# Altium PCB 宠物机器人&导购机器人.PcbDoc (part 13 of 14) (continued)
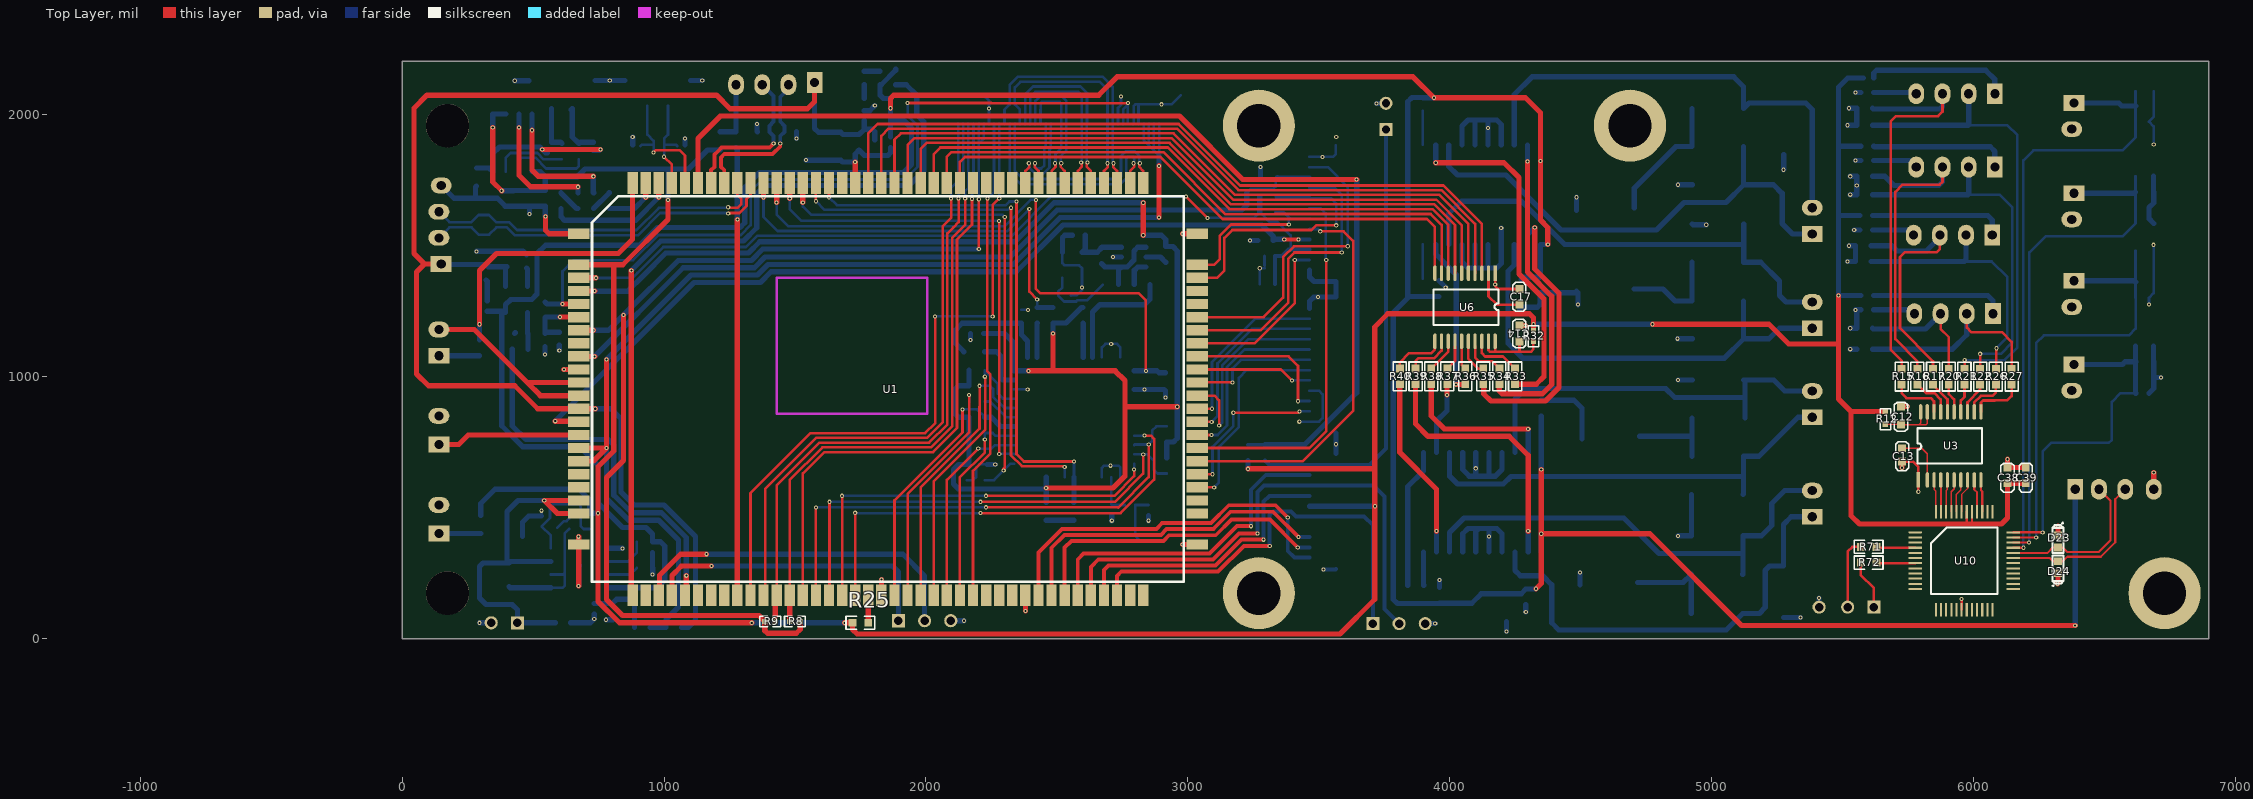
[diagram p0: Top Layer view]
## Nets (pads, with @x,y where several pads share a name; then routed paths per layer and width w, separated by ;. In a path a pad name is that pad's centre, name@x,y a point inside that pad or via, vN(x,y) a via of type N, cw(c..) or ccw(c..) an arc to the next point about the centre after c; other vN are vias at no path point) (continued)
NetD1_2: D1.2 D9.2 EC1.1 | length 507.5
  Bottom Layer w20: EC1.1@4705.47,1644 4705.47,1720.47 4864,1879 D1.2@4925.83,1879 D9.2@4925.83,2024
NetD2_2: D2.2 D10.2 EC2.1 | length 387.9
  Bottom Layer w20: EC2.1@4705,1335 4815,1335 4861,1289 D10.2@4925.83,1289 D2.2@4925.83,1437
NetD3_2: D3.2 D11.2 EC3.1 | length 346.7
  Bottom Layer w20: EC3.1@4726,772 4923.83,772 4925.83,770 ; D3.2@4925.83,696 4925.83,770 ; D11.2@4925.83,842 4925.83,770
NetD4_2: D4.2 D12.2 EC4.1 | length 366.7
  Bottom Layer w20: EC4.1@4718,214 4891.83,214 D4.2@4922.83,245 D12.2@4922.83,96
NetJ4_1: J4.1 R13.1 | length 512.9
  Bottom Layer w20: R13.1@5620,1310 6055,1310 6075,1290 J4.1@6075,1240.37
NetJ4_4: J4.4 R10.1 | length 161.1
  Bottom Layer w20: R10.1@5620,1255.16 5760.21,1255.16 J4.4@5775,1240.37
NetJ5_1: J5.1 R14.1 | length 521.8
  Bottom Layer w20: R14.1@5615,1615 6055,1615 6072.21,1597.79 J5.1@6072.21,1540.35
NetJ5_4: J5.4 R11.1 | length 165.3
  Bottom Layer w20: R11.1@5615,1560 5752.55,1560 J5.4@5772.21,1540.35
NetJ8_1: J8.1 R23.1 | length 530.1
  Bottom Layer w20: R23.1@5620,1880 5622.21,1877.79 6064.41,1877.79 6082.21,1860 J8.1@6082.21,1800.35
NetJ8_4: J8.4 R18.1 | length 172.4
  Bottom Layer w20: R18.1@5620,1825 5757.55,1825 J8.4@5782.21,1800.35
NetJ9_1: J9.1 R24.1 | length 555.6
  Bottom Layer w20: R24.1@5620,2140.35 5620,2160 5630.35,2170.35 6047.21,2170.35 6082.21,2135.35 J9.1@6082.21,2080.35
NetJ9_4: J9.4 R19.1 | length 164.1
  Bottom Layer w20: R19.1@5620,2085 5777.55,2085 J9.4@5782.21,2080.35
NetJ16_1: J16.1 J50.1 R63.2 | length 1713
  Bottom Layer w15: R63.2@3295,680 3311.89,663.11 J16.1@3465,663.11 3694.11,663.11 3757,726 J50.1@3757,1944
NetJ17_1: J17.1 R72.1 | length 190.7
  Top Layer w10: R72.1@5570,290 5570,243 5620,193 J17.1@5620,120
NetJ17_2: J17.2 R71.1 | length 269.5
  Top Layer w10: J17.2@5520,120 5520,332 5538,350 R71.1@5570,350
NetJ18_4: J18.4 R83.2 R84.1 | length 240
  Bottom Layer w20: R84.1@1215,1935 R83.2@1275,1935 J18.4@1275,2115
NetJ21_1: J21.1 R48.1 | length 155
  Bottom Layer w20: J21.1@140,1080 R48.1@295,1080
NetJ22_1: J22.1 R52.1 | length 160
  Bottom Layer w20: J22.1@140,401 R52.1@300,401
NetL3_2: L3.2 R1.2 U2.1 U2.2 | length 498.9
  Bottom Layer w10: U2.1@567.5,194.25 613.5,194.25 621.5,202.26 621.5,252.26 ; U2.2@567.5,244.25 613.5,244.25 621.5,252.26 ; R1.2@637.5,418.25 621.5,402.26 621.5,252.26
  Bottom Layer w20: L3.2@407.5,198.25 411.5,194.25 U2.1@567.5,194.25
NetL14_2: L14.2 U8.7 | length 284.4
  Bottom Layer w10: U8.7@396,1783 396,1836 414,1854 516.46,1854 540.46,1830 L14.2@610,1830
NetL16_2: L16.2 U8.6 | length 322.3
  Bottom Layer w10: U8.6@446,1783 446,1826 456,1836 509,1836 550,1795 665,1795 675,1805 L16.2@675,1830
NetL19_1: L19.1 U9.21 | length 206
  Bottom Layer w20: L19.1@2225,1095 2270,1095 2285,1080 2285,995 2293.27,986.73 U9.21@2336.34,986.73
NetR2_2: R2.2 U2.7 | length 119
  Bottom Layer w10: U2.7@787.5,244.25 870.75,244.25 R2.2@896,269.5
NetR3_1: R3.1 R5.2 U2.6 | length 163.7
  Bottom Layer w10: U2.6@787.5,294.25 861.75,294.25 R5.2@896,328.5 R3.1@896,369.5
NetR15_2: R15.2 U3.18 | length 210.8
  Top Layer w10: R15.2@5726.21,970.35 5726.21,936.79 5745,918 5838,918 5850.02,905.98 U3.18@5850.02,865.35
NetR16_2: R16.2 U3.17 | length 161
  Top Layer w10: R16.2@5786.21,970.35 5819.55,937 5852,937 5875.62,913.38 U3.17@5875.62,865.35
NetR17_2: R17.2 U3.16 | length 127.8
  Top Layer w10: R17.2@5846.21,970.35 5846.21,968.34 5901.21,913.34 U3.16@5901.21,865.35
NetR20_2: R20.2 U3.15 | length 113.5
  Top Layer w10: R20.2@5906.21,970.35 5906.21,933.79 5926.8,913.2 U3.15@5926.8,865.35
NetR21_2: R21.2 U3.14 | length 110.7
  Top Layer w10: U3.14@5952.39,865.35 5952.39,909.39 5966.21,923.21 R21.2@5966.21,970.35
NetR22_2: R22.2 U3.13 | length 125
  Top Layer w10: U3.13@5977.98,865.35 5977.98,901.98 6026.21,950.21 R22.2@6026.21,970.35
NetR25_2: R25.2 U1.39 | length 105
  Top Layer w20: R25.2@1780,60 U1.39@1780,165
NetR26_2: R26.2 U3.12 | length 165.9
  Top Layer w10: U3.12@6003.57,865.35 6003.57,902.11 6028.46,927 6074,927 6086.21,939.21 R26.2@6086.21,970.35
NetR27_2: R27.2 U3.11 | length 207.4
  Top Layer w10: U3.11@6029.16,865.35 6029.16,901.16 6037,909 6081.46,909 6081.66,909.21 6129.21,909.21 6146.21,926.21 R27.2@6146.21,970.35
NetR28_1: R28.1 U4.1 | length 130.5
  Bottom Layer w10: U4.1@3897,1884.92 3897,2014 R28.1@3898,2015
NetR29_2: R29.2 U4.20 | length 130
  Bottom Layer w10: R29.2@3897,1375 U4.20@3897,1505
NetR30_1: R30.1 U5.1 | length 533
  Bottom Layer w20: R30.1@3841,202.29 3840,203.29 3840,580 3900,640 U5.1@3900,710
NetR31_2: R31.2 U5.20 | length 127.6
  Bottom Layer w20: U5.20@3900,330.08 3900,204.25 R31.2@3901.25,203
NetR33_2: R33.2 U6.18 | length 176.6
  Top Layer w10: U6.18@4122.91,1115.08 4122.91,1090.09 4136,1077 4203.92,1077 R33.2@4250,1030.92
NetR34_2: R34.2 U6.17 | length 152.4
  Top Layer w10: U6.17@4097.32,1115.08 4097.32,1072.68 4111,1059 4161.92,1059 R34.2@4190,1030.92
NetR35_2: R35.2 U6.16 | length 119.1
  Top Layer w10: U6.16@4071.73,1115.08 4071.73,1068.27 4109.08,1030.92 R35.2@4128.54,1030.92
NetR36_2: R36.2 U6.15 | length 89.9
  Top Layer w10: U6.15@4046.14,1115.08 4046.14,1044.76 R36.2@4059.98,1030.92
NetR37_2: R37.2 U6.14 | length 96.2
  Top Layer w10: R37.2@3991.42,1030.92 4020.55,1060.05 U6.14@4020.55,1115.08
NetR38_2: R38.2 U6.13 | length 131.1
  Top Layer w10: R38.2@3930,1030.92 3994.96,1095.88 U6.13@3994.96,1135.16
NetR39_2: R39.2 U6.12 | length 180.5
  Top Layer w10: R39.2@3870,1030.92 3870,1060 3880,1070 3940,1070 3969.37,1099.37 U6.12@3969.37,1135.16
NetR40_2: R40.2 U6.11 | length 209.4
  Top Layer w10: R40.2@3810,1030.92 3810,1055 3845,1090 3930,1090 3943.78,1103.78 U6.11@3943.78,1135.16
NetR43_1: R43.1 R46.2 U7.1 U7.4 | length 298.6
  Bottom Layer w20: R46.2@2670.98,1431.57 2683.39,1419.17 U7.1@2746.5,1419.17 ; R43.1@2735.98,1351.57 2735.98,1408.66 U7.1@2746.5,1419.17 ; U7.4@2840.98,1493.98 2808.98,1493.98 2795,1480 2795,1445 2769.17,1419.17 U7.1@2746.5,1419.17
NetR44_2: R44.2 U7.6 | length 104.9
  Bottom Layer w20: R44.2@2795.98,1351.57 2795.98,1405.98 2809.17,1419.17 U7.6@2840.98,1419.17
NetR45_2: R45.2 U7.5 | length 83.3
  Bottom Layer w20: U7.5@2840.98,1456.57 2895.98,1456.57 R45.2@2915.98,1436.57
NetR49_2: R49.2 U8.3 | length 501.3
  Top Layer w20: v1(446,1951) 446,1769 490,1725 v1(671.75,1725)
  Bottom Layer w20: v1(446,1951) U8.3@446,2003 ; R49.2@671,1702 671.75,1702.75 v1(671.75,1725)
NetR50_2: R50.2 U8.4 | length 522.4
  Top Layer w20: v1(496,1941) 496,1789 520,1765 v1(730,1765)
  Bottom Layer w20: v1(496,1941) U8.4@496,2003 ; v1(730,1765) 730,1703 R50.2@731,1702 R50.2@731.75,1702.75
NetR64_1: R64.1 U9.29 | length 130.6
  Bottom Layer w20: R64.1@2600,1204.5 2601.1,1203.4 U9.29@2601.1,1074.33
NetR66_1: R66.1 U9.24 | length 130.6
  Bottom Layer w20: U9.24@2423.94,1074.33 2423.94,1203.44 R66.1@2425,1204.5
NetR67_2: R67.2 R69.2 U11.4 | length 172.6
  Bottom Layer w20: U11.4@1865,2062.5 1837.5,2062.5 1825,2075 R69.2@1825,2115 1829.46,2115 1885,2170.54 R67.2@1885,2175
NetR70_2: R70.2 U11.3 | length 52.5
  Bottom Layer w20: U11.3@1765,2062.5 R70.2@1765,2115
NetR71_2: R71.2 U10.4 | length 156.4
  Top Layer w10: R71.2@5630,350 5626.59,346.59 U10.4@5778.15,346.59
NetR72_2: R72.2 U10.7 | length 149.2
  Top Layer w10: R72.2@5630,290 5632.46,287.54 U10.7@5778.15,287.54
NetR74_1: R74.1 U9.17 | length 136.2
  Bottom Layer w10: R74.1@2225,905 2245,905 2305,845 U9.17@2336.34,845
NetR80_2: R80.2 R81.2 U12.4 | length 140.4
  Bottom Layer w20: U12.4@479,1245 479,1166 R81.2@480,1165 R80.2@480,1105
NetR82_2: R82.2 U12.3 | length 71.7
  Bottom Layer w20: R82.2@475,1415 479,1411 U12.3@479,1345
OUTPUT1: D1.1 D5.2 J7.1 U4.3 | length 1933.8
  Bottom Layer w20: U4.3@3997,1884.92 3997,1803 4030,1770 4215,1770 4425,1560 4790,1560 4895,1665 5055.54,1665 D5.2@5123.54,1733 ; D1.1@5122.69,1879 5122.69,1733.85 D5.2@5123.54,1733 ; J7.1@5385,1545 5310,1545 5270,1585 5270,1700 5237,1733 D5.2@5123.54,1733
OUTPUT2: D9.1 D13.2 J7.2 U4.8 | length 1851.2
  Bottom Layer w20: U4.8@4247,1884.92 4247,2077 4315,2145 5085,2145 5122.69,2107.31 D9.1@5122.69,2024 5143.69,2045 D13.2@5276,2045 5360,2045 5385,2020 J7.2@5385,1645
OUTPUT3: D10.1 D15.2 J10.1 U4.13 | length 1765.9
  Bottom Layer w20: U4.13@4247,1505 4247,1427 4222.54,1402.54 4222.54,1127.46 4280,1070 5048.54,1070 D15.2@5123.54,1145 ; D10.1@5122.69,1289 5122.69,1145.85 D15.2@5123.54,1145 ; J10.1@5385,1185 5260,1185 5220,1145 D15.2@5123.54,1145
OUTPUT4: D2.1 D6.2 J10.2 U4.18 | length 1835.6
  Bottom Layer w20: U4.18@3997,1505 3997,1622 4045,1670 4275,1670 4440,1505 5123.54,1505 ; D6.2@5123.54,1583 5123.54,1505 ; J10.2@5385,1285 5285,1285 5260,1310 5260,1365 5188,1437 D2.1@5122.69,1437 5123.54,1437.85 5123.54,1505
OUTPUT5: D3.1 D7.2 J6.1 U5.3 | length 1710.5
  Bottom Layer w20: U5.3@4000,710 4000,620 4030,590 4205,590 4234,619 5116.69,619 5122.69,625 ; D7.2@5120.54,550 5122.69,552.15 5122.69,625 ; J6.1@5385,845 5330,845 5181,696 D3.1@5122.69,696 5122.69,625
OUTPUT6: D11.1 D14.2 J6.2 U5.8 | length 1538.8
  Bottom Layer w20: U5.8@4250,710 4250,915 4290,955 4825,955 4860,920 5128.54,920 ; D14.2@5123.54,987 D14.2@5128.54,987 ; D11.1@5127.69,842 5128.54,842.85 5128.54,920 ; J6.2@5385,945 5280,945 5238,987 D14.2@5128.54,987 ; 5128.54,920 D14.2@5128.54,987
OUTPUT7: D12.1 D16.2 J11.1 U5.13 | length 1738.8
  Bottom Layer w20: U5.13@4250,330.08 4250,260 4270,240 4355,240 4390,205 4390,60 4417,33 5056.69,33 D12.1@5119.69,96 5183,96 5205,118 5205,260 5221.85,276.85 D16.2@5275,276.85 5275,435 5305,465 J11.1@5385,465
OUTPUT8: D4.1 D8.2 J11.2 U5.18 | length 1806.3
  Bottom Layer w20: U5.18@4000,330.08 4000,405 4055,460 4665,460 4800,325 5120.54,325 ; D4.1@5119.69,245 5120.54,245.85 5120.54,325 ; J11.2@5385,565 5280,565 5230,515 5230,432 5190,392 D8.2@5120.54,392 5120.54,325
P0.0: U3.9 U10.40 | length 125.6
  Top Layer w8: U3.9@6003.57,605.5 6003.57,568.8 6014.37,558 U10.40@6014.37,484.39
P0.1: U3.10 U10.39 | length 123.1
  Top Layer w8: U3.10@6029.16,605.5 6029.16,565.84 6034.06,560.94 U10.39@6034.06,484.39
P0.4: C21.1 L13.2 R41.1 R42.1 SW1.1 U10.36 | length 1374.6
  Top Layer w8: U10.36@6152.17,405.65 v1@6265,405.65
  Top Layer w10: v1(6265,405) v1@6265,405.65
  Bottom Layer w10: v1(6265,405) 6265,715 6297,747 6517,747 6529,759 6529,904 6561.69,936.69 L13.2@6620,936.69
  Bottom Layer w20: SW1.1@6385,1046.69 6569.37,1046.69 6579.37,1056.69 R41.1@6619.5,1056.69 ; C21.1@6619.5,1116.69 R41.1@6619.5,1056.69 ; L13.2@6620,936.69 6619.5,937.19 R41.1@6619.5,1056.69 ; R41.1@6620,1056.69 R41.1@6619.5,1056.69
P0.5: C27.1 L15.2 R47.1 R51.1 SW2.1 U10.35 | length 1767.5
  Top Layer w8: U10.35@6152.17,385.96 v1(6240,385.96)
  Bottom Layer w10: v1(6240,385.96) 6240,1128 6270,1158 6594,1158 6620,1184 L15.2@6620,1301.25 6619.5,1301.75 6619.5,1361.75 C27.1@6619.5,1481.25
  Bottom Layer w20: SW2.1@6385,1366 6615.25,1366 6619.5,1361.75 R47.1@6620,1361.25
P0.6: C35.1 L17.2 R54.1 R56.1 SW3.1 U10.34 | length 2038.5
  Top Layer w6: v1@6212.68,366.28 v1(6213,366.59)
  Top Layer w8: U10.34@6152.17,366.28 v1@6212.68,366.28
  Top Layer w10: v1@6212,367.59 v1(6213,366.59)
  Bottom Layer w10: v1(6213,366.59) 6214,1474 6276,1536 6570.63,1536 R56.1@6620,1585.37 6619.5,1585.87 6619.5,1704.87 C35.1@6619.5,1765.37
  Bottom Layer w20: SW3.1@6385,1700.37 6615,1700.37 R54.1@6619.5,1704.87
P0.7: C37.1 L18.2 R57.1 R62.1 SW4.1 U10.33 | length 2399.8
  Top Layer w8: U10.33@6152.17,346.59 v1(6191.41,346.59)
  Bottom Layer w10: v1(6191.41,346.59) 6191.41,1825.41 6230,1864 6570.13,1864 R62.1@6620,1913.87 6619.5,1914.37 6619.5,2033.87 C37.1@6619.5,2090.37
  Bottom Layer w20: SW4.1@6385,2045.37 6555.63,2045.37 6567.13,2033.87 6619.5,2033.87 R57.1@6620,2033.87
P1.0: U3.8 U10.43 | length 130.5
  Top Layer w6: U10.43@5955.32,484.39 5955.32,550.32 5977.98,572.98 U3.8@5977.98,605.5
P1.1: U3.7 U10.44 | length 128.1
  Top Layer w6: U10.44@5935.63,484.39 5935.63,550.63 5952.39,567.39 U3.7@5952.39,605.5
P1.2: U3.6 U10.45 | length 125.6
  Top Layer w6: U10.45@5915.95,484.39 5915.95,560.95 5926.8,571.8 U3.6@5926.8,605.5
P1.3: U3.5 U10.46 | length 123.2
  Top Layer w6: U10.46@5896.26,484.39 5896.26,565 5901,569.74 5901,605.3 U3.5@5901.21,605.5
P1.4: U3.4 U10.47 | length 120.2
  Top Layer w6: U10.47@5876.58,484.39 U3.4@5876.58,604.58
P1.5: U3.3 U10.48 | length 124
  Top Layer w6: U3.3@5850.02,605.5 5851,604.53 5851,569 5856.89,563.11 U10.48@5856.89,484.39
PB6: U1.48
PE0_CSI-PCLK: J1.7 U1.63 | length 804.4
  Top Layer w10: U1.63@3036.1,577.4 3100.6,577.4 v1(3101,577)
  Bottom Layer w10: v1(3101,577) 3119,595 3119,731.39 3195,807.39 3195,995 3225,1025 J1.7@3465,1025
PE1_CSI-MCLK: J1.11 U1.64 | length 619.2
  Top Layer w10: U1.64@3036.1,627.4 v1(3094.4,627.4) ; v1(3174,862) 3420.96,862 v1(3426.48,867.52)
  Bottom Layer w10: v1(3094.4,627.4) 3094.4,732.25 3174,811.85 v1(3174,862) ; v1(3426.48,867.52) J1.11@3465,867.52
PE2_CSI-HSYNC: J3.8 U1.65 | length 1509.9
  Top Layer w10: U1.65@3036.1,677.4 3439.86,677.4 3632,869.54 3632,1518 3595,1555 v1(3506,1555)
  Bottom Layer w10: J3.8@3465,1563.74 3497.26,1563.74 v1(3506,1555)
PE3_CSI-VSYNC: J3.6 U1.66 | length 1422.1
  Top Layer w10: U1.66@3036.1,727.4 3464.4,727.4 3529,792 v1(3529,1445)
  Bottom Layer w10: J3.6@3465,1642.48 3508.52,1642.48 3527,1624 3527,1447 v1(3529,1445)
PE4_CSI-D0: J1.5 U1.67 | length 694.8
  Top Layer w10: U1.67@3036.1,777.4 v1(3090.6,777.4)
  Bottom Layer w10: v1(3090.6,777.4) 3114.1,777.4 3150,813.3 3150,1035 3150,1036.46 3217.28,1103.74 J1.5@3465,1103.74
PE5_CSI-D1: J1.3 U1.68 | length 694
  Top Layer w10: U1.68@3036.1,827.4 v1(3091.4,827.4)
  Bottom Layer w10: v1(3091.4,827.4) 3113.4,849.4 3113.4,1050.86 3245.02,1182.48 J1.3@3465,1182.48
PE6_CSI-D2: J1.2 U1.69 | length 675.8
  Top Layer w10: U1.69@3036.1,877.4 v1(3092.4,877.4)
  Bottom Layer w10: v1(3092.4,877.4) 3092.4,1055.31 3258.94,1221.85 J1.2@3465,1221.85
PE7_CSI-D3: J1.4 U1.70 | length 797.5
  Top Layer w10: U1.70@3036.1,927.4 3101.6,927.4 3120,909 v1(3120,813)
  Bottom Layer w10: v1(3120,813) 3131.4,824.4 3131.4,1043.4 3231.11,1143.11 J1.4@3465,1143.11
PE8_CSI-D4: J1.6 U1.71 | length 496.6
  Top Layer w10: U1.71@3036.1,977.4 3036.7,978 v1(3171,978)
  Bottom Layer w10: v1(3171,978) 3171,1032 3203.37,1064.37 J1.6@3465,1064.37
PE9_CSI-D5: J1.8 U1.72 | length 446.2
  Top Layer w10: U1.72@3036.1,1027.4 3355.86,1027.4 v1(3397.63,985.63)
  Bottom Layer w10: v1(3397.63,985.63) J1.8@3465,985.63
PE10_CSI-D6: J1.10 U1.73 | length 579.6
  Top Layer w10: U1.73@3036.1,1077.4 3384.97,1077.4 3421,1041.37 v1(3421,906)
  Bottom Layer w10: v1(3421,906) 3421.89,906.89 J1.10@3465,906.89
PE11_CSI-D7: J3.11 U1.74 | length 656.8
  Top Layer w10: U1.74@3036.1,1127.4 3254.4,1127.4 3408.63,1281.63 v1(3408.63,1445.63)
  Bottom Layer w10: v1(3408.63,1445.63) J3.11@3465,1445.63
PE12_CSI-SCK: J3.4 U1.75 | length 1128.2
  Top Layer w10: U1.75@3036.1,1177.4 3278.95,1177.4 3384,1282.46 3384,1450.7 3407.3,1474 v1(3588,1474)
  Bottom Layer w10: J3.4@3465,1721.22 3561.78,1721.22 3588,1695 v1(3588,1474)
PE13_CSI-SDA: J3.2 U1.76 | length 1181.3
  Top Layer w10: U1.76@3036.1,1227.4 3289.4,1227.4 3364,1302 3364,1456.15 3405.85,1498 v1(3611,1498)
  Bottom Layer w10: J3.2@3465,1799.96 3536.04,1799.96 3611,1725 v1(3611,1498)
PE16_CSI-RST-F: J3.5 R7.2 U1.79 | length 1016.8
  Top Layer w10: U1.79@3038.7,1380 U1.79@3036.1,1377.4 3111.4,1377.4 3140,1406 3140,1529.54 3170.46,1560 3472.3,1560 3490.3,1578 v1(3567,1578)
  Bottom Layer w8: R7.2@3335,1688 R7.2@3341.15,1681.85
  Bottom Layer w10: J3.5@3465,1681.85 3547.15,1681.85 3567,1662 v1(3567,1578)
  Bottom Layer w15: R7.2@3341.15,1681.85 J3.5@3465,1681.85
PE17_CSI-STBY-F: J3.7 R6.1 U1.80 | length 632
  Top Layer w10: U1.80@3036.1,1427.4 3101.4,1427.4 3122,1448 3122,1537 3166,1581 v1(3386,1581)
  Bottom Layer w10: R6.1@3335,1628 3365,1628 3386,1607 ; v1(3386,1581) 3386,1607 ; J3.7@3465,1603.11 3389.89,1603.11 3386,1607
PH4-SCK1: U1.49
PH5-SDA1: U1.50
POWERKEY: J20.1 U1.14 | length 549
  Top Layer w20: J20.1@140,741 216,741 252.4,777.4 U1.14@673.9,777.4
PS: J21.2 U1.10 U1.11 | length 834.8
  Top Layer w20: J21.2@140,1180 275,1180 477.6,977.4 ; U1.11@673.9,927.4 527.6,927.4 477.6,977.4 ; U1.10@673.9,977.4 477.6,977.4
SDC0-CLK: J16.6 J30.1 U1.58 | length 1620.9
  Top Layer w15: U1.58@2730,165 2730,239.11 2746,255.11 3116.16,255.11 3215.05,354 3216.05,353 v1(3313,353)
  Bottom Layer w15: v1(3313,353) 3313,471 3327.5,485.5 3394.5,485.5 3413.74,466.26 J16.6@3465,466.26 3673.74,466.26 3707,433 J30.1@3707,57
SDC0-CMD: J16.4 U1.57 | length 1083.6
  Top Layer w15: U1.57@2680,165 2680,261 2697.11,278.11 3106.63,278.11 3206.03,377.5 v1(3289.5,377.5)
  Bottom Layer w15: v1(3289.5,377.5) 3289.5,522.5 3312,545 J16.4@3465,545
SDC0-D0: J16.8 U1.53 | length 1263.4
  Top Layer w15: U1.53@2480,165 2480,346.47 2529.53,396 2898,396 2919.48,417.48 3097.53,417.48 3164.05,484 3326,484 v1(3422.48,387.52)
  Bottom Layer w15: v1(3422.48,387.52) J16.8@3465,387.52
SDC0-D1: J16.9 U1.54 | length 1206
  Top Layer w15: U1.54@2530,165 2530,347 2556,373 2907.53,373 2929,394.48 3107.05,394.48 3167.58,455 3313.3,455 v1(3420.15,348.15)
  Bottom Layer w15: v1(3420.15,348.15) J16.9@3465,348.15
SDC0-D2: J16.2 U1.55 | length 1236.7
  Top Layer w15: U1.55@2580,165 2580,302 2602.11,324.11 3083.86,324.11 3188.75,429 v1(3242,429)
  Bottom Layer w15: v1(3242,429) 3242,568 3297.74,623.74 J16.2@3465,623.74
SDC0-D3: J16.3 J30.2 U1.56 | length 1977.1
  Top Layer w15: U1.56@2630,165 2630,273 2658.11,301.11 3097.11,301.11 3196.5,400.5 3265.5,400.5 v1(3266,401)
  Bottom Layer w15: v1(3266,401) 3266,559.47 3290.9,584.37 J16.3@3465,584.37 3709.63,584.37 3751,543 3751,113 J30.2@3807,57
SDIO-CLK: R74.2 U1.42 | length 887.3
  Top Layer w10: U1.42@1930,165 1930,552.02 2165,787.02 v1(2165,930)
  Bottom Layer w10: R74.2@2165,905 v1(2165,930)
SDIO-CMD: R77.2 U1.41 U9.16 | length 1041.1
  Top Layer w10: U1.41@1880,165 1880,527.47 2140,787.47 v1(2140,875)
  Bottom Layer w10: v1(2140,875) 2195,875 R77.2@2225,845
  Bottom Layer w20: R77.2@2225,845 2250,845 2285.43,809.57 U9.16@2336.34,809.57
SDIO-D0: R78.2 U1.43 U9.18 | length 1077.1
  Top Layer w10: U1.43@1980,165 1980,576.56 2204.67,801.23 2204.67,885 2205,885.33 v1(2205,965)
  Bottom Layer w10: v1(2205,965) R78.2@2225,965 2245,965 2257,953 2257,923 2299.57,880.43 U9.18@2336.34,880.43
SDIO-D1: R79.2 U1.44 U9.19 | length 1119
  Top Layer w10: U1.44@2030,165 2030,601.11 2226,797.11 2226,999 v1(2225,1000)
  Bottom Layer w10: v1(2225,1000) R79.2@2225,1022.47 ; R79.2@2225,1025 R79.2@2225,1022.47 ; U9.19@2336.34,915.87 2294.13,915.87 2275,935 2275,972.47 R79.2@2225,1022.47
SDIO-D2: R75.2 U1.45 U9.14 | length 752.1
  Top Layer w10: U1.45@2080,165 2080,605.25 v1(2200,725.25)
  Bottom Layer w10: v1(2200,725.25) 2224.75,725.25 R75.2@2225,725 2250,725 2263.7,738.7 U9.14@2336.34,738.7
SDIO-D3: R76.2 U1.46 U9.15 | length 775.2
  Top Layer w10: U1.46@2130,165 2130,616 2225,711 v1(2225,760)
  Bottom Layer w10: v1(2225,760) R76.2@2225,785 2255,785 2265.87,774.13 U9.15@2336.34,774.13
SPI0-CLK: U1.61
SPI0-CS: U1.62
SPI0-MISO: U1.59
SPI0-MOSI: U1.60
T-CARD-DET: J16.10 U1.52 | length 1431.5
  Top Layer w15: U1.52@2430,165 2430,329 2520,419 2881,419 2902.48,440.48 3088,440.48 3156.52,509 3335,509 v1(3382,462)
  Bottom Layer w15: v1(3382,462) 3382,334 3407.22,308.78 J16.10@3465,308.78
TEMP: C33.1 R53.1 R55.2 U1.5 | length 247
  Top Layer w20: v1(602.4,1227.4) U1.5@673.9,1227.4
  Bottom Layer w20: C33.1@600,1170 550,1170 R55.2@545,1165 R53.1@545,1225 547.4,1227.4 v1(602.4,1227.4)
TP-INT: J2.37 U1.34 | length 2313.1
  Top Layer w10: U1.34@1530,165 1530,630 1612,712 2027,712 2119,804 2119,1523.54 2176.11,1580.65 v1(2176.11,1679.46)
  Bottom Layer w10: v1(2176.11,1679.46) 2176.11,1709.22 2181.89,1715 J2.37@2181.89,1965
TP-RST: J2.40 U1.31 | length 2355.9
  Top Layer w10: U1.31@1380,165 1386,171 1386,571 1581,766 2004.63,766 2064,825.37 2064,1574 2096.3,1606.3 v1@2096.3,1679.74
  Bottom Layer w10: v1@2096.3,1679.74 v1(2096.3,1680) 2096.3,1721.3 2122.83,1747.83 J2.40@2122.83,1965
TP-SCK: J2.39 R9.2 U1.32 | length 2442.7
  Top Layer w10: U1.32@1430,165 1430,585 1593,748 2012.09,748 2082,817.91 2082,1547 2105,1570 2125,1590.01 v1(2125,1680)
  Top Layer w20: R9.2@1425,65 1425,160 U1.32@1430,165
  Bottom Layer w10: v1(2125,1680) 2125,1709.02 2142.52,1726.54 J2.39@2142.52,1965
TP-SDA: J2.38 R8.2 U1.33 | length 2425.7
  Top Layer w10: U1.33@1480,165 1480,605.46 1604.54,730 2019.54,730 2100,810.46 2100,1530 2150,1580 v1(2150,1680)
  Top Layer w20: R8.2@1480,65 U1.33@1480,165
  Bottom Layer w10: v1(2150,1680) 2150,1708.57 2162.2,1720.77 J2.38@2162.2,1965
TRI1: J4.2 L6.2 R27.1 | length 812.6
  Top Layer w10: J4.2@5975,1240.37 5975,1187 5992,1170 6109,1170 6146.21,1132.79 R27.1@6146.21,1030.35
  Bottom Layer w20: L6.2@5615,1105 5920,1105 5975,1160 J4.2@5975,1240.37
TRI2: J5.2 L7.2 R26.1 | length 1008.8
  Top Layer w10: R26.1@6086.21,1030.35 6088,1032.14 v1(6088,1108.59)
  Bottom Layer w10: 5972.21,1440 6070,1440 6130,1380 6130,1150.59 v1(6088,1108.59)
  Bottom Layer w20: L7.2@5610,1440 5965,1440 5972.21,1447.21 J5.2@5972.21,1540.35
TRI3: J8.2 L10.2 R22.1 | length 1372.3
  Top Layer w10: R22.1@6026.21,1030.35 v1(6026.21,1087.21)
  Bottom Layer w10: 5980,1695 6100,1695 6148,1647 6148,1130.37 6104.83,1087.21 v1(6026.21,1087.21)
  Bottom Layer w20: L10.2@5615,1695 5980,1695 5982.21,1697.21 J8.2@5982.21,1800.35
TRI4: J9.2 L11.2 R21.1 | length 1754.9
  Top Layer w10: R21.1@5966.21,1030.35 5967,1031.14 v1(5967,1063)
  Bottom Layer w10: v1(5967,1063) 6120,1063 6168,1111 6168,1922 6130,1960 5980,1960 ; J9.2@5982.21,2070 J9.2@5982.21,2080.35
  Bottom Layer w20: L11.2@5615,1960 5980,1960 5982.21,1962.21 J9.2@5982.21,2070
UART2_CTS: R80.1 U1.25 | length 1473.3
  Top Layer w20: U1.25@1080,165 1090,175 1085,180 v1(1085,240)
  Bottom Layer w20: R80.1@420,1105 420,812.4 472.4,760 787,760 808,739 808,547.4 875.4,480 990.4,480 1085,385.4 v1(1085,240)
UART2_RX: J40.2 U1.23 | length 1328.8
  Top Layer w20: U1.23@980,165 982.5,167.5 982.5,241.5 1063,322 v1(1162,322)
  Bottom Layer w20: v1(1162,322) 1912,322 1995,239 J40.2@1995,68
UART2_TX: J40.1 U1.24 | length 1151.4
  Top Layer w20: U1.24@1030,165 1030,240 1066,276 1066,277 v1(1181,277)
  Bottom Layer w20: v1(1181,277) 1872,277 1895,254 J40.1@1895,68
USB-DM0: D22.2 J18.2 U1.113 | length 608.3
  Top Layer w15: U1.113@1230,1739.8 1230,1788.64 1217.5,1801.14 1217.5,1837.5 1230,1850 1414.11,1850 1443.75,1879.64 v1(1443.75,1890)
  Bottom Layer w15: v1(1443.75,1890) 1443.75,1918.75 D22.2@1460,1935 1460,1957.5 1443.75,1973.75 1443.75,2068.75 1475,2100 J18.2@1475,2115
USB-DM1: D19.1 J15.2 U1.111 | length 1369
  Top Layer w10: v1(1245,1623) 1247,1625 1288.28,1625 1315,1651.72 1315,1678.47 1330,1693.47 U1.111@1330,1739.8
  Bottom Layer w10: J15.2@140,1530 180,1570 245,1570 264.54,1570 292.04,1542.5 D19.1@312.04,1542.5 332.04,1542.5 359.54,1570 400,1570 430,1540 900.46,1540 985.46,1625 1243,1625 v1(1245,1623)
USB-DP0: D21.2 J18.3 U1.114 | length 613.5
  Top Layer w15: U1.114@1180,1739.8 1180,1788.64 1192.5,1801.14 1192.5,1847.86 1205,1860.36 1219.64,1875 1403.75,1875 v1(1418.75,1890)
  Bottom Layer w15: J18.3@1375,2115 1418.75,2071.25 1418.75,1973.75 1402.5,1957.5 D21.2@1402.5,1935 1418.75,1918.75 v1(1418.75,1890)
USB-DP1: D20.1 J15.3 U1.112 | length 1335.9
  Top Layer w10: v1(1245,1647) 1247,1645 1280,1645 1295,1660 1295,1678.47 1280,1693.47 U1.112@1280,1739.8
  Bottom Layer w10: J15.3@140,1630 180,1590 245,1590 264.04,1590 291.54,1617.5 D20.1@311.54,1617.5 331.54,1617.5 359.04,1590 408.28,1590 438.28,1560 895,1560 980,1645 1243,1645 v1(1245,1647)
USB-DRVVBUS: R67.1 U1.21 | length 2989.1
  Top Layer w20: v1(875,1405) 875,170 U1.21@880,165
  Bottom Layer w20: v1(875,1405) 875,1405.4 987.6,1518 1303.05,1518 1354,1568.95 1354,1699 1385,1730 1935,1730 1991.5,1786.5 1991.5,1973.5 1965,2000 1965,2075 1925,2115 R67.1@1885,2115
USB-ID: R83.1 U1.29 | length 1712.1
  Top Layer w20: U1.29@1280,165 v1(1280,1600)
  Bottom Layer w20: R83.1@1275,1875 1280,1870 v1(1280,1600)
VBAT: C10.2 C32.1 J14.1 L3.1 U1.19 U1.20 U2.3 | length 1401.9
  Top Layer w20: U1.20@673.9,477.4 592.6,477.4 v1(542.6,527.4) U1.19@673.9,527.4
  Bottom Layer w20: v1(542.6,527.4) 442.4,527.4 400,485 C10.2@400,390 400,295.75 L3.1@407.5,288.25 ; U2.3@567.5,294.25 413.5,294.25 L3.1@407.5,288.25 ; C32.1@584.47,60 J14.1@440,60 440,110 420,130 320,130 295,155 295,275 308.25,288.25 L3.1@407.5,288.25
VCC-3V0: C29.1 C34.1 C36.1 C38.1 C39.1 J16.5 R4.2 R12.2 R13.2 R14.2 R23.2 R24.2 R25.1 R32.2 R52.2 R58.1 R84.2 U1.1 U8.1 U8.2 U8.5 U10.41 U10.42 | length 13688
  Top Layer w8: 5975,437 U10.42@5975,484.39 ; 5994.69,437.69 U10.41@5994.69,484.39
  Top Layer w10: 5994,437 5994.69,437.69
  Top Layer w20: v1(346,1951) 346,1744 v1(380,1710) ; U1.1@673.9,1427.4 815,1427.4 ; v1(1015,1675) 1015,1600 842.4,1427.4 815,1427.4 ; v1(1335,60) 830,60 748.25,141.75 v1(748.25,478.25) 748.25,656.06 808,715.8 808,1420.4 815,1427.4 ; v1(1690,60) R25.1@1720,60 1720,35 1737.57,17.43 3581.43,17.43 3714,150 3714,648 ; v1(3230,648) 3714,648 ; R32.2@4320,1175 v1(4320,1200) 4320,1225 4305,1240 3764,1240 3714,1190 3714,648 ; v1(4775,1200) 5220,1200 5295,1125 5485,1125 ; v1(5485,1310) 5485,1125 ; R12.2@5663.94,866.92 5533.08,866.92 ; C39.1@6200.5,593.37 C38.1@6130.5,593.37 6130.5,460.5 6107,437 5994,437 5975,437 5565,437 5533.08,468.92 5533.08,866.92 ; 5485,1125 5485,915 5533.08,866.92
  Bottom Layer w20: R52.2@300,470 300,515 355,570 675,570 716.5,528.5 R4.2@716.5,478.25 v1(748.25,478.25) ; v1(346,1951) U8.1@346,2003 U8.2@396,2003 ; v1(380,1710) 425.25,1710 C36.1@426.25,1711 C34.1@486.25,1711 C29.1@546.25,1711 546.25,1763.75 ; U8.5@496,1783 527,1783 546.25,1763.75 ; v1(1015,1675) 1015,1793 ; R84.2@1215,1866 1166,1866 1093,1793 1015,1793 ; v1(1335,60) v1(1690,60) ; v1(3230,648) R58.1@3230,680 ; J16.5@3465,505.63 3465.63,505 v1(3715,505) ; v1(4320,1200) v1(4775,1200) ; R14.2@5566,1615 5485,1615 ; R13.2@5571,1310 v1(5485,1310) 5485,1615 ; R23.2@5571,1880 5485,1880 ; R24.2@5580,2140.35 5520.35,2140.35 5485,2105 5485,1880 ; 546.25,1763.75 668.75,1763.75 698,1793 1015,1793 ; 5485,1615 5485,1880
VCC-CTP: J2.35 J2.36 R8.1 R9.1 U1.6 | length 4180.5
  Top Layer w10: v1(2202.11,1487.11) v1(2202.11,1677.49)
  Top Layer w20: U1.6@673.9,1177.4 v1(730,1177.4) ; v1(845,1235) 845,680 780,615 780,149.6 841.6,88 1362,88 R9.1@1385,65 1385,30 1395,20 1505,20 1520,35 R8.1@1520,65
  Bottom Layer w10: J2.36@2201.57,1965 2201.57,1890 ; v1(2202.11,1677.49) 2202.11,1889.46 2201.57,1890 ; J2.35@2221.26,1965 2221.26,1909.68 2201.57,1890
  Bottom Layer w20: v1(730,1177.4) 787.4,1177.4 v1(845,1235) 1054,1444 1333.71,1444 1376.82,1487.11 v1(2202.11,1487.11)